# Altium PCB MOTOR SECOND.PcbDoc (part 1 of 4)
Units mil, origin at the board's own origin, x right, y up, seen from the top; angles counter-clockwise.
Board outline 3164.64 x 1945.03 mil, 2 copper layers (Top Layer, Bottom Layer); 69 components, 47 nets, 203 pads, 228 vias.
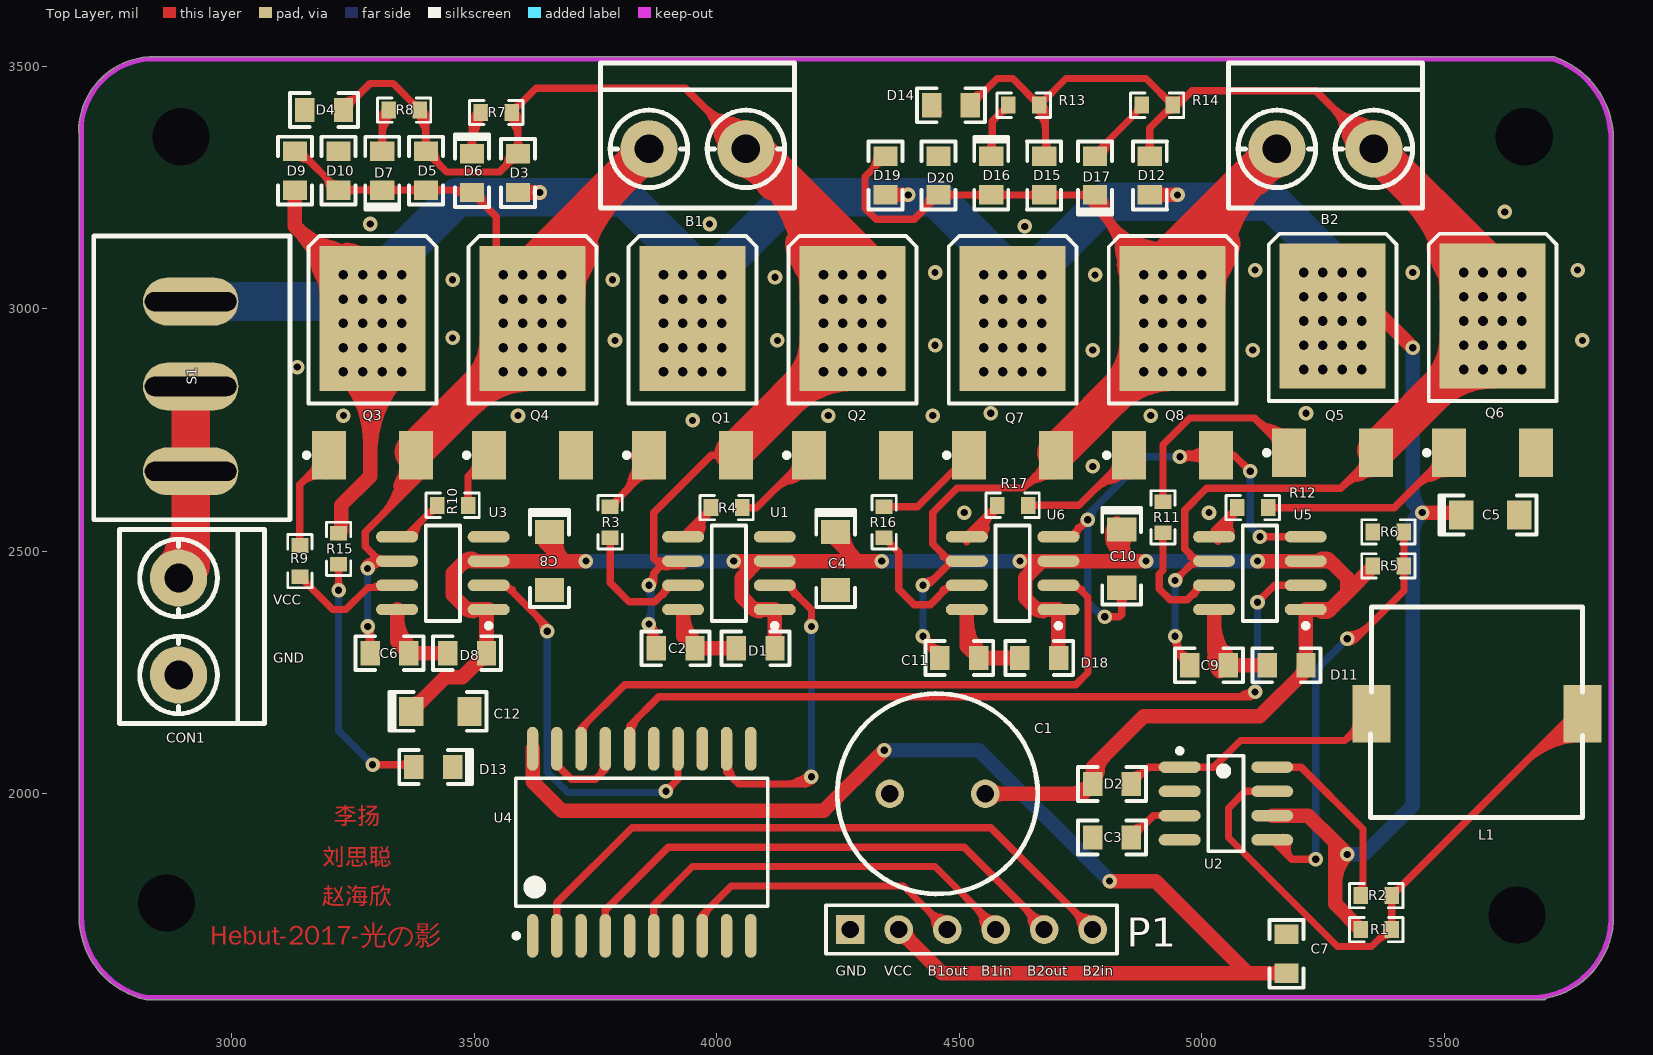
[diagram p0: Top Layer view]
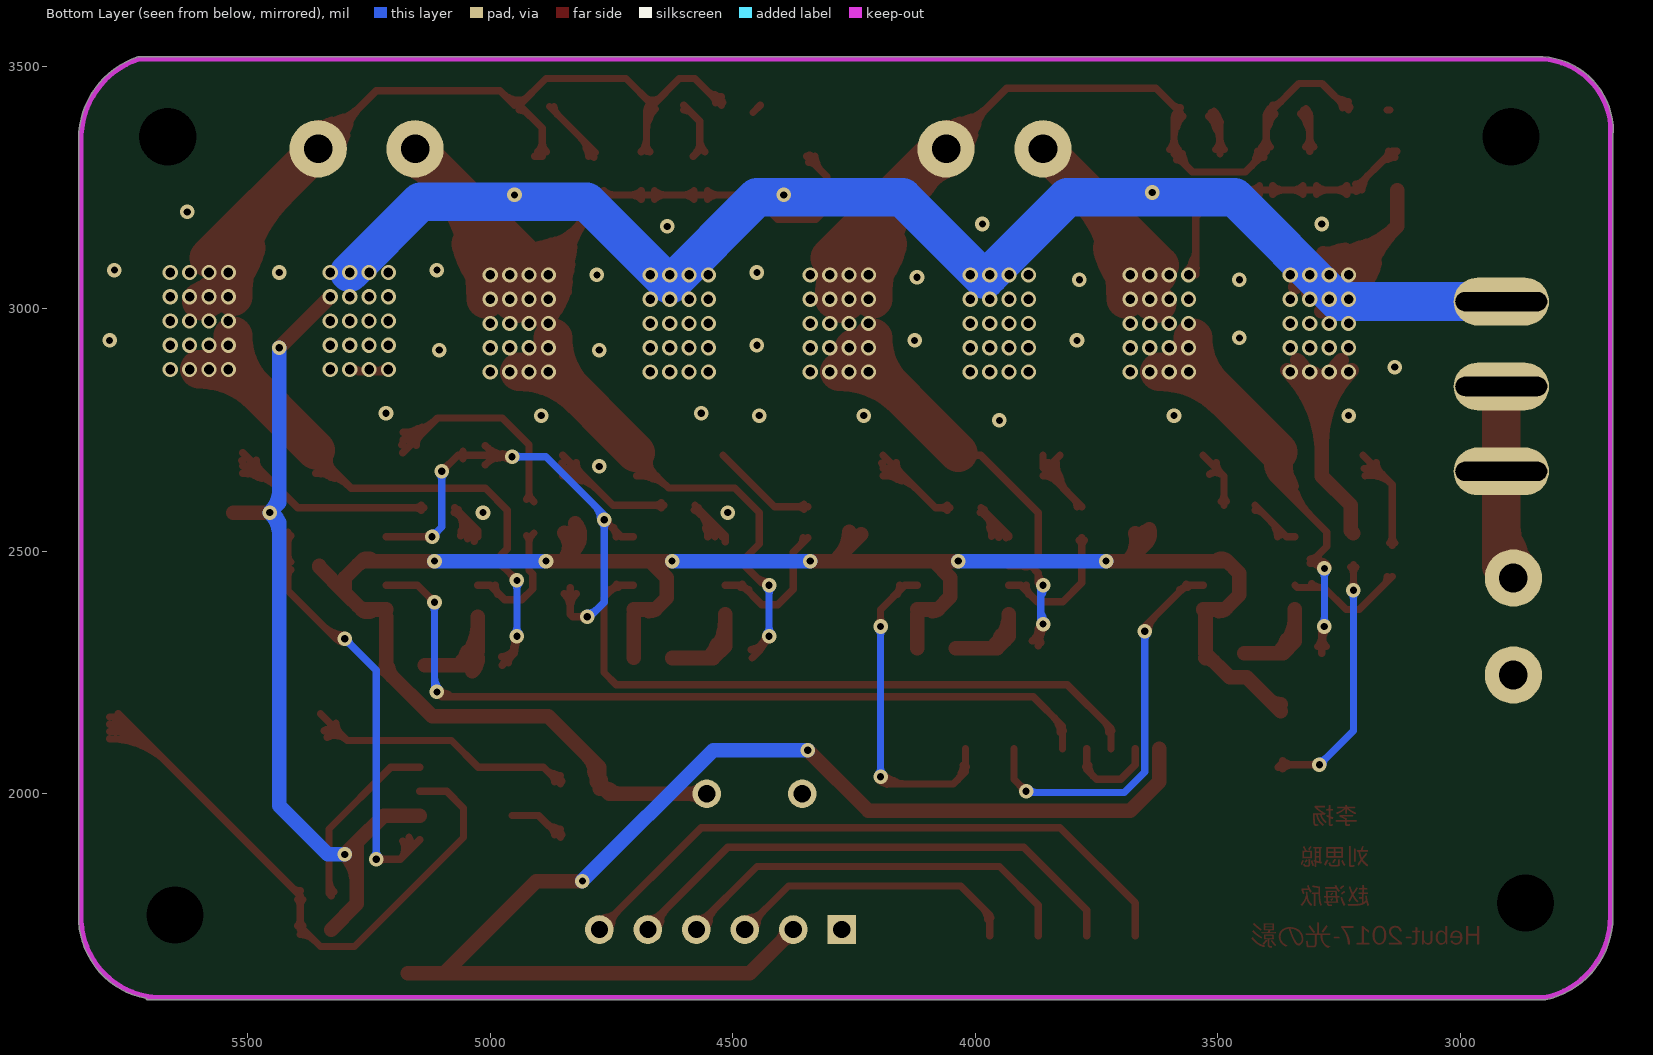
[diagram p1: Bottom Layer view, seen from below]

## Layer stack, top to bottom
Top Layer: signal copper 1.4
Dielectric: dielectric 12.6, FR-4, Dk 4.8
Bottom Layer: signal copper 1.4

## Board outline
2685.04,1746.58 ccw(c2860.35,1746.58) 2823.96,1575.09 ccw(c2825,1580) 2825,1574.98 5705,1574.98 ccw(c5705,1580) 5709.56,1577.92 ccw(c5677.69,1746.15) 5848.61,1736.1 ccw(c5843.61,1736.39) 5848.62,1736.39 5848.62,3345.31 ccw(c5670.11,3350.34) 5848.69,3350.34 ccw(c5670.11,3350.34) 5726.59,3519.76 ccw(c5725,3515) 5725,3520.01 2830,3520.01 ccw(c2830,3515) 2829.71,3520.01 ccw(c2838.79,3365.54) 2684.06,3365.54 ccw(c2689.07,3365.54) 2684.99,3362.63 2684.99,1750.67 ccw(c2690,1750.67) 2685.45,1748.56 ccw(c2690.06,1746.58)

## Design rules (kind name [scope] priority, off if disabled: settings)
Clearance [All] p1: gap=10
PolygonConnect [All] p1: connectstyle=Relief reliefconductorwidth=10 reliefentries=4 polygonreliefangle="90 Angle" airgapwidth=10
RoutingVias [All] p1: holewidth=15 width=30 viastyle="Through Hole" minholewidth=15 minwidth=15 maxholewidth=50 maxwidth=50
SolderMaskExpansion [All] p1: expansion=4
Width [All] p1: maxlimit=100 minlimit=10 preferedwidth=10
28 further rules are at their usual default settings.

## Components (designator, comment, footprint, x,y, rotation, side; value= is the part's Value field where it differs from the comment)
B1 "Motor" KF301-2P 3960,3330 r90 top
B2 "Motor" KF301-2P 5255,3330 r90 top
C1 "470uF" RB5-10.5 4455,2000 r180 top
C2 "1.5uF" 0805(2012) 3915,2300 r180 top
C3 "470PF" 0805(2012) 4815,1910 r180 top
C4 "10uF" 1206C 4245,2480 r90 top
C5 "10uF" 1206C 5595,2575 r180 top
C6 "1.5uF" 0805(2012) 3325,2290 r180 top
C7 "0.1uF" 0805(2012) 5175,1670 r270 top
C8 "10uF" 1206C 3655,2480 r90 top
C9 "1.5uF" 0805(2012) 5015,2265 r180 top
C10 "10uF" 1206C 4835,2485 r90 top
C11 "1.5uF" 0805(2012) 4500,2280 r180 top
C12 "10uF" 1206C 3430,2170 r180 top
CON1 "PoweIn" KF301-2P 2890,2345 r0 top
D1 "IN5819" 0805(2012) 4080,2300 r180 top
D2 "IN5819" 0805(2012) 4815,2020 r180 top
D3 "IN5819" 0805(2012) 3590,3280 r270 top
D4 "IN5819" 0805(2012) 3190,3410 r0 top
D5 "U" 0805(2012) 3400,3285 r90 top
D6 "green" 0805LED 3495,3280 r90 top
D7 "green" 0805LED 3310,3285 r270 top
D8 "IN5819" 0805(2012) 3485,2290 r180 top
D9 "IN5819" 0805(2012) 3130,3285 r270 top
D10 "IN5819" 0805(2012) 3220,3285 r270 top
D11 "IN5819" 0805(2012) 5175,2265 r180 top
D12 "IN5819" 0805(2012) 4893,3275 r270 top
D13 "RED" 0805LED 3415,2055 r0 top
D14 "IN5819" 0805(2012) 4483,3420 r0 top
D15 "U" 0805(2012) 4675,3275 r90 top
D16 "green" 0805LED 4566,3275 r90 top
D17 "green" 0805LED 4780,3275 r270 top
D18 "IN5819" 0805(2012) 4665,2280 r180 top
D19 "IN5819" 0805(2012) 4348,3275 r270 top
D20 "IN5819" 0805(2012) 4457,3275 r270 top
L1 "330uH" 电感8*8 5485,2090 r180 top
P1 "Header 6" HDR1X6 4275,1720 r0 top
Q1 "LR7843" LR7843 3950,2840 r270 top
Q2 "LR7843" LR7843 4280,2840 r270 top
Q3 "LR7843" LR7843 3290,2840 r270 top
Q4 "LR7843" LR7843 3620,2840 r270 top
Q5 "LR7843" LR7843 5270,2845 r270 top
Q6 "LR7843" LR7843 5600,2845 r270 top
Q7 "LR7843" LR7843 4610,2840 r270 top
Q8 "LR7843" LR7843 4940,2840 r270 top
R1 "0.22R" 0603 5360,1720 r180 top
R2 "180R" 0603 5360,1790 r0 top
R3 "20R" 0603 3780,2560 r90 top
R4 "20R" 0603 4020,2590 r0 top
R5 "10K" 0603 5385,2470 r180 top
R6 "1K" 0603 5385,2540 r180 top
R7 "10K" 0603 3545,3405 r0 top
R8 "10K" 0603 3355,3410 r0 top
R9 "20R" 0603 3140,2480 r90 top
R10 "20R" 0603 3455,2595 r0 top
R11 "20R" 0603 4920,2570 r90 top
R12 "20R" 0603 5105,2590 r0 top
R13 "1K" 0603 4633,3420 r0 top
R14 "1K" 0603 4908,3420 r0 top
R15 "1K" 0603 3220,2505 r270 top
R16 "20R" 0603 4345,2560 r90 top
R17 "20R" 0603 4610,2595 r0 top
S1 "SW-SPDT" SWITCH 3120,2565 r180 top
U1 "IR2104S" IR2104S 4025,2455 r180 top
U2 "MC34063" MC34063 5050,1980 r0 top
U3 "IR2104S" IR2104S 3435,2455 r180 top
U4 "74LS244" 74ls244DB 3845,1900 r90 top
U5 "IR2104S" IR2104S 5120,2455 r180 top
U6 "IR2104S" IR2104S 4610,2455 r180 top

## Footprints (in the part's own frame and the unit in brackets; to place one, negate y for a bottom-side part, rotate by r counter-clockwise, add the part's x,y. Pads: shape width x height; smd on the part's side, far side on the other; paste and mask are expansions set on the pad)
74ls244DB [mm] "SOP, 20-Leads, Body 13.00x7.50mm, Pitch 1.27mm, IPC Medium Density"
  oval 2.3x0.6 smd: 1(-4.9,5.715) 2(-4.9,4.445) 3(-4.9,3.175) 4(-4.9,1.905) 5(-4.9,0.635) 6(-4.9,-0.635) 7(-4.9,-1.905) 8(-4.9,-3.175) 9(-4.9,-4.445) 10(-4.9,-5.715) 11(4.9,-5.715) 12(4.9,-4.445) 13(4.9,-3.175) 14(4.9,-1.905) 15(4.9,-0.635) 16(4.9,0.635) 17(4.9,1.905) 18(4.9,3.175) 19(4.9,4.445) 20(4.9,5.715)
  silkscreen extent -5.02,-6.6 3.35,6.69, body extent -3.8,-6.6 3.8,6.6, height 2.65
0603 [mil]
  rect 30x35 smd: 1(-32,0) 2(32,0)
  silkscreen extent -55,-25 55,25
0805(2012) [mil]
  rect 40x50 smd: 1(-40,0) 2(40,0)
  silkscreen extent -70,-35 70,35
0805LED [mil]
  rect 40x50 smd: 1(-40,0) 2(40,0)
  silkscreen extent -70,-35 80,35
1206C [mil]
  rect 50x60 smd: 1(60,0) 2(-60,0)
  silkscreen extent -95,-40 105,40
HDR1X6 [mm] "Connector; Header; 6 Position"
  rect 1.5x1.5 hole 0.9: 1(0,0)
  round 1.5 hole 0.9: 2(2.54,0) 3(5.08,0) 4(7.62,0) 5(10.16,0) 6(12.7,0)
  silkscreen extent -1.27,-1.27 13.97,1.27
IR2104S [mm]
  oval 2.2x0.6 smd: 1(-2.4,1.905) 2(-2.4,0.635) 3(-2.4,-0.635) 4(-2.4,-1.905) 5(2.4,-1.905) 6(2.4,-0.635) 7(2.4,0.635) 8(2.4,1.905)
  silkscreen extent -2.53,-2.5 0.9,2.88, body extent -2,-2.5 2,2.5, height 1.55
KF301-2P [mm]
  round 3 hole 1.5: 1(0,-2.54) 2(0,2.54)
  silkscreen extent -3.1,-5.08 4.5,5.08
LR7843 [mm]
  rect 2.54x1.778 smd: 1(3.6,-2.28) 3(3.6,2.28)
  rect 7.6x5.55 smd: 2(-3.556,0)
  silkscreen extent -7.87,-3.58 3.72,3.35
MC34063 [mm] "SOIC, 8-Leads, Body 4.90x3.90mm, Pitch 1.27mm, IPC Medium Density"
  oval 2.2x0.6 smd: 1(-2.425,1.905) 2(-2.425,0.635) 3(-2.425,-0.635) 4(-2.425,-1.905) 5(2.425,-1.905) 6(2.425,-0.635) 7(2.425,0.635) 8(2.425,1.905)
  silkscreen extent -2.55,-2.5 0.93,2.88, body extent -2,-2.5 2,2.5, height 1.5
RB5-10.5 [mm] "Capacitor (Radial); 2 Leads"
  round 1.5 hole 0.9: 1(-2.5,0) 2(2.5,0)
  silkscreen extent -5.25,-5.25 5.25,5.25
SWITCH [mm]
  oval 5x2.5 hole 1 slot 4.8 at 0 deg: 1(5.207,-2.54) 2(5.207,-6.985) 3(5.207,-11.43)
  silkscreen extent 0,-14.86 10.29,0
电感8*8 [mm]
  rect 2x3 smd: 1(-7.62,-1.905) 2(3.429,-1.905)
  silkscreen extent -7.62,-7.49 3.5,3.52

## Part data
B1 B2: library part "Motor Servo", "Servo Motor"
C1 C4 C5 C8 C10 C12: library part "Cap Pol3", "Polarized Capacitor (Surface Mount)"
C2 C3 C6 C7 C9 C11: library part "Cap Semi", "Capacitor (Semiconductor SIM Model)"
CON1: library part "Header 2", "Header, 2-Pin"
D1 D2 D3 D4 D8 D9 D10 D11 D12 D14 D18 D19 D20: library part Diode, "Default Diode"
D5 D15: library part "Res Varistor", "Varistor (Voltage-Sensitive Resistor)"
D6 D7 D13 D16 D17: library part LED3, "Typical BLUE SiC LED"
L1: library part Inductor, "Inductor"
P1: "Header, 6-Pin"
Q1 Q2 Q3 Q4 Q5 Q6 Q7 Q8: library part NMOS-2, "N-Channel Power MOSFET"
R1 R2 R3 R4 R5 R6 R7 R8 R9 R10 R11 R12 R13 R14 R15 R16 R17: library part Res2, "Resistor"
S1: "SPDT Subminiature Toggle Switch, Right Angle Mounting, Vertical Actuation"

## Free pads (board coordinates)
  round 60 hole 118.11: 0(2865,1775) 0(2895,3355) 0(5650,1750) 0(5665,3355)

## Via types
v1: diameter 31.5, hole 19.68, Top Layer to Bottom Layer, 160 vias
v2: diameter 30, hole 15, Top Layer to Bottom Layer, 68 vias

## Nets (pads, with @x,y where several pads share a name; then routed paths per layer and width w, separated by ;. In a path a pad name is that pad's centre, name@x,y a point inside that pad or via, vN(x,y) a via of type N, cw(c..) or ccw(c..) an arc to the next point about the centre after c; other vN are vias at no path point)
5V: C7.2 P1.2 U4.20 | length 2808
  Top Layer w30: U4.20@3620,2092.91 3620,2025 3680,1965 4220,1965 v2(4345,2090) ; P1.2@4375,1720 4465,1630 5095,1630 ; v2(4810,1820) 4905,1820 5095,1630 ; C7.2@5170,1630 5095,1630 ; P1.2@4375,1705.47 cw(c4375,1670.4) 4399.8,1695.2 ; P1.2@4375,1705.47 cw(c4375,1670.4) 4399.8,1695.2 ; P1.2@4375,1705.47 cw(c4375,1670.4) 4399.8,1695.2 ; P1.2@4389.53,1720 ccw(c4424.6,1720) 4399.8,1695.2 ; P1.2@4389.53,1720 ccw(c4424.6,1720) 4399.8,1695.2 ; P1.2@4389.53,1720 ccw(c4424.6,1720) 4399.8,1695.2
  Bottom Layer w30: v2(4345,2090) 4540.54,2090 4810,1820.54 v2(4810,1820)
12V: C1.1 C4.1 C8.1 C10.1 C12.1 D1.1 D2.2 D8.1 D11.1 D18.1 R5.2 U1.1 U1.3 U3.1 U3.3 U5.1 U5.3 U6.1 U6.3 | length 6818
  Top Layer w30: C12.1@3370,2170 3440,2240 3475.36,2240 3525,2289.64 D8.1@3525,2290 3525,2375.51 U3.1@3529.49,2380 3485,2380 3455,2410 3455,2455 3480,2480 ; C8.1@3650,2540 3650,2515 3685,2480 ; 3664.87,2512.17 cw(c3680.26,2521.03) C8.1@3667.3,2533.17 ; v2(3730,2480) 3685,2480 ; v2(4035,2480) U1.3@4085.93,2480 ; D1.1@4119.49,2300.51 U1.1@4119.49,2370 ; U1.1@4119.49,2380 4077.36,2380 4051.18,2406.18 4051.18,2445.25 U1.3@4085.93,2480 ; C4.1@4235,2535 4290,2480 ; C4.1@4259.52,2536.93 ccw(c4284.38,2528.91) 4265.91,2510.43 ; v2(4340,2480) 4290,2480 ; C1.1@4553.43,2000 4755,2000 D2.2@4775,2020 4775,2055 4880,2160 5120,2160 5215,2255 D11.1@5215,2265 ; v2(4625,2480) U6.3@4670.93,2480 ; D18.1@4704.49,2280.51 U6.1@4704.49,2370 ; U6.1@4704.49,2380 4660,2380 4636.18,2403.82 4636.18,2445.25 U6.3@4670.93,2480 ; C10.1@4825,2545 4825,2505 4850,2480 ; v2@4880,2480 U6.3@4704.49,2480 U6.3@4670.93,2480 ; v2(5115,2480) U5.3@5214.49,2480 5265,2480 ; D11.1@5214.49,2265.51 5214.49,2365 ; U5.1@5214.49,2380 5265,2380 ; R5.2@5353,2470 5353,2468 5300,2415 ; C12.1@3370,2185 ccw(c3370,2221.21) 3395.61,2195.61 ; C12.1@3370,2185 ccw(c3370,2221.21) 3395.61,2195.61 ; C12.1@3370,2185 ccw(c3370,2221.21) 3395.61,2195.61 ; 3472.72,2472.72 cw(c3497.99,2447.45) U3.3@3497.99,2483.19 ; 3472.72,2472.72 cw(c3497.99,2447.45) U3.3@3497.99,2483.19 ; 3472.72,2472.72 cw(c3497.99,2447.45) U3.3@3497.99,2483.19 ; 3480,2480 cw(c3491.63,2468.37) U3.3@3499.52,2482.8 ; 3480,2480 cw(c3491.63,2468.37) U3.3@3499.52,2482.8 ; 3480,2480 cw(c3491.63,2468.37) U3.3@3499.52,2482.8 ; 3480,2480 U3.3@3529.49,2480 3685,2480 ; 3481.26,2383.74 ccw(c3497.99,2400.48) U3.1@3497.99,2376.81 ; 3481.26,2383.74 ccw(c3497.99,2400.48) U3.1@3497.99,2376.81 ; 3481.26,2383.74 ccw(c3497.99,2400.48) U3.1@3497.99,2376.81 ; D8.1@3508.54,2273.18 cw(c3525,2256.72) D8.1@3525,2280 ; D8.1@3508.54,2273.18 cw(c3525,2256.72) D8.1@3525,2280 ; D8.1@3508.54,2273.18 cw(c3525,2256.72) D8.1@3525,2280 ; C8.1@3640.69,2545.2 ccw(c3669.15,2537.54) C8.1@3648.31,2516.69 ; C8.1@3640.69,2545.2 ccw(c3669.15,2537.54) C8.1@3648.31,2516.69 ; C8.1@3640.69,2545.2 ccw(c3669.15,2537.54) C8.1@3648.31,2516.69 ; C8.1@3652.92,2532.94 cw(c3612.48,2492.6) 3669.6,2492.53 ; C8.1@3652.92,2532.94 cw(c3612.48,2492.6) 3669.6,2492.53 ; C8.1@3652.92,2532.94 cw(c3612.48,2492.6) 3669.6,2492.53 ; C8.1@3669.66,2537.4 ccw(c3726.97,2521.97) 3685,2480 ; C8.1@3669.66,2537.4 ccw(c3726.97,2521.97) 3685,2480 ; C8.1@3669.66,2537.4 ccw(c3726.97,2521.97) 3685,2480 ; 4075.29,2382.07 ccw(c4087.99,2394.78) U1.1@4087.99,2376.81 ; 4075.29,2382.07 ccw(c4087.99,2394.78) U1.1@4087.99,2376.81 ; 4075.29,2382.07 ccw(c4087.99,2394.78) U1.1@4087.99,2376.81 ; U1.3@4085.93,2480 U1.3@4119.49,2480 4290,2480 ; C4.1@4245,2531.34 cw(c4216.44,2481.87) 4271.61,2496.66 ; C4.1@4245,2531.34 cw(c4216.44,2481.87) 4271.61,2496.66 ; C4.1@4245,2531.34 cw(c4216.44,2481.87) 4271.61,2496.66 ; C4.1@4260,2540 ccw(c4332.43,2540) 4281.21,2488.79 ; C4.1@4260,2540 ccw(c4332.43,2540) 4281.21,2488.79 ; C4.1@4260,2540 ccw(c4332.43,2540) 4281.21,2488.79 ; C1.1@4563.7,1989.73 cw(c4588.5,1964.93) 4588.5,2000 ; C1.1@4563.7,1989.73 cw(c4588.5,1964.93) 4588.5,2000 ; C1.1@4563.7,1989.73 cw(c4588.5,1964.93) 4588.5,2000 ; C1.1@4563.7,2010.27 ccw(c4588.5,2035.07) 4588.5,2000 ; C1.1@4563.7,2010.27 ccw(c4588.5,2035.07) 4588.5,2000 ; C1.1@4563.7,2010.27 ccw(c4588.5,2035.07) 4588.5,2000 ; 4656.26,2383.74 ccw(c4672.99,2400.48) U6.1@4672.99,2376.81 ; 4656.26,2383.74 ccw(c4672.99,2400.48) U6.1@4672.99,2376.81 ; 4656.26,2383.74 ccw(c4672.99,2400.48) U6.1@4672.99,2376.81 ; 4726.72,2000 ccw(c4726.72,2063.28) D2.2@4771.46,2018.54 ; 4726.72,2000 ccw(c4726.72,2063.28) D2.2@4771.46,2018.54 ; 4726.72,2000 ccw(c4726.72,2063.28) D2.2@4771.46,2018.54 ; 4752.03,2007.32 cw(c4766.31,1982.58) D2.2@4773.71,2010.17 ; 4752.03,2007.32 cw(c4766.31,1982.58) D2.2@4773.71,2010.17 ; 4752.03,2007.32 cw(c4766.31,1982.58) D2.2@4773.71,2010.17 ; D2.2@4772.5,2029.33 ccw(c4758.22,2054.06) 4785.81,2046.67 ; D2.2@4772.5,2029.33 ccw(c4758.22,2054.06) 4785.81,2046.67 ; D2.2@4772.5,2029.33 ccw(c4758.22,2054.06) 4785.81,2046.67 ; D2.2@4780,2025 cw(c4864.5,2025) 4804.75,2084.75 ; D2.2@4780,2025 cw(c4864.5,2025) 4804.75,2084.75 ; D2.2@4780,2025 cw(c4864.5,2025) 4804.75,2084.75 ; C10.1@4824.76,2557.95 ccw(c4855.67,2531.69) 4826.99,2503.01 ; C10.1@4824.76,2557.95 ccw(c4855.67,2531.69) 4826.99,2503.01 ; C10.1@4824.76,2557.95 ccw(c4855.67,2531.69) 4826.99,2503.01 ; 4825,2508.79 cw(c4866.21,2508.79) C10.1@4837.07,2537.93 ; 4825,2508.79 cw(c4866.21,2508.79) C10.1@4837.07,2537.93 ; 4825,2508.79 cw(c4866.21,2508.79) C10.1@4837.07,2537.93 ; C10.1@4847.62,2538.53 ccw(c4880.55,2510.55) 4850,2480 ; C10.1@4847.62,2538.53 ccw(c4880.55,2510.55) 4850,2480 ; C10.1@4847.62,2538.53 ccw(c4880.55,2510.55) 4850,2480 ; D11.1@5202.93,2242.93 ccw(c5185.86,2260) D11.1@5210,2260 ; D11.1@5202.93,2242.93 ccw(c5185.86,2260) D11.1@5210,2260 ; D11.1@5202.93,2242.93 ccw(c5185.86,2260) D11.1@5210,2260 ; U5.1@5244.41,2377.23 ccw(c5252.89,2392.11) 5265,2380 ; U5.1@5244.41,2377.23 ccw(c5252.89,2392.11) 5265,2380 ; U5.1@5244.41,2377.23 ccw(c5252.89,2392.11) 5265,2380 ; U5.3@5244.41,2482.77 cw(c5252.89,2467.89) 5265,2480 ; U5.3@5244.41,2482.77 cw(c5252.89,2467.89) 5265,2480 ; U5.3@5244.41,2482.77 cw(c5252.89,2467.89) 5265,2480 ; U5.1@5245.98,2376.81 ccw(c5245.98,2415.02) 5273,2388 ; U5.1@5245.98,2376.81 ccw(c5245.98,2415.02) 5273,2388 ; U5.1@5245.98,2376.81 ccw(c5245.98,2415.02) 5273,2388 ; U5.3@5245.98,2483.19 cw(c5245.98,2444.98) 5273,2472 ; U5.3@5245.98,2483.19 cw(c5245.98,2444.98) 5273,2472 ; U5.3@5245.98,2483.19 cw(c5245.98,2444.98) 5273,2472 ; 5265,2380 5300,2415 ; 5265,2480 5300,2445 5300,2415
  Bottom Layer w30: v2(3730,2480) v2(4035,2480) ; v2(4340,2480) v2(4625,2480) ; v2@4890,2480 v2(5115,2480)
  other v2: 4885,2480
GND: C1.2 C3.2 C4.2 C5.2 C7.1 C8.2 C10.2 C12.2 CON1.1 D4.1 D10.1 D13.2 D14.1 D20.1 P1.1 Q2.3 Q4.3 Q6.3 Q8.3 R6.2 U1.4 U2.2 U2.4 U3.4 U4.1 U4.3 U4.5 U4.7 U4.9 U4.10 U4.11 U4.13 U4.15 U4.17 U4.19 U5.4 U6.4 | length 3393.2
  Top Layer w15: D4.1@3145.25,3410 D4.1@3150,3410 ; U4.19@3670,2092.91 3670,2060 3700,2030 3750,2030 3770,2050 U4.17@3770,2092.91 ; 3763.14,2046.7 ccw(c3755.18,2054.67) U4.17@3765.9,2058.12 ; D14.1@4443,3420 D14.1@4458,3405 ; U6.4@4704.49,2530 4730,2530 v2(4765,2565) ; U6.4@4740.09,2531.32 cw(c4750.81,2534.78) 4742.84,2542.75 ; v2(4800,2365) 4830,2365 4835,2370 C10.2@4835,2425 ; v2(4955,2695) 4958.27,2698.27 Q8.3@5029.76,2698.27 5066.73,2698.27 ; v2(5100,2665) 5066.73,2698.27 ; v2(5120,2530) U5.4@5214.49,2530 ; 3755.96,2035.96 ccw(c3732.47,2059.45) U4.17@3765.69,2059.45 ; 3755.96,2035.96 ccw(c3732.47,2059.45) U4.17@3765.69,2059.45 ; 3755.96,2035.96 ccw(c3732.47,2059.45) U4.17@3765.69,2059.45 ; 3760.68,2040.76 cw(c3784.47,2034.39) U4.17@3772.16,2055.72 ; 3760.68,2040.76 cw(c3784.47,2034.39) U4.17@3772.16,2055.72 ; 3760.68,2040.76 cw(c3784.47,2034.39) U4.17@3772.16,2055.72 ; U6.4@4733.83,2533.73 ccw(c4721.52,2555.06) 4745.3,2548.69 ; U6.4@4733.83,2533.73 ccw(c4721.52,2555.06) 4745.3,2548.69 ; U6.4@4733.83,2533.73 ccw(c4721.52,2555.06) 4745.3,2548.69 ; U6.4@4740.3,2530 cw(c4765.15,2530) 4747.57,2547.57 ; U6.4@4740.3,2530 cw(c4765.15,2530) 4747.57,2547.57 ; U6.4@4740.3,2530 cw(c4765.15,2530) 4747.57,2547.57 ; 4752.2,2552.2 ccw(c4739.39,2565) v2@4757.5,2565 ; 4752.2,2552.2 cw(c4765,2539.39) v2@4765,2557.5 ; 4752.2,2552.2 ccw(c4739.39,2565) v2@4757.5,2565 ; 4752.2,2552.2 cw(c4765,2539.39) v2@4765,2557.5 ; 4752.2,2552.2 ccw(c4739.39,2565) v2@4757.5,2565 ; 4752.2,2552.2 cw(c4765,2539.39) v2@4765,2557.5 ; v2@4805.3,2359.7 cw(c4818.11,2346.89) 4818.11,2365 ; v2@4805.3,2359.7 cw(c4818.11,2346.89) 4818.11,2365 ; v2@4805.3,2359.7 cw(c4818.11,2346.89) 4818.11,2365 ; v2@4805.3,2370.3 ccw(c4818.11,2383.11) 4818.11,2365 ; v2@4805.3,2370.3 ccw(c4818.11,2383.11) 4818.11,2365 ; v2@4805.3,2370.3 ccw(c4818.11,2383.11) 4818.11,2365 ; C10.2@4822.63,2412.63 cw(c4792.75,2382.75) 4835,2382.75 ; C10.2@4822.63,2412.63 cw(c4792.75,2382.75) 4835,2382.75 ; C10.2@4822.63,2412.63 cw(c4792.75,2382.75) 4835,2382.75 ; 4835,2382.75 cw(c4877.25,2382.75) C10.2@4847.37,2412.63 ; 4835,2382.75 cw(c4877.25,2382.75) C10.2@4847.37,2412.63 ; 4835,2382.75 cw(c4877.25,2382.75) C10.2@4847.37,2412.63 ; v2@4958.75,2688.5 cw(c4976.89,2657.08) 4986.28,2692.13 ; v2@4958.75,2688.5 cw(c4976.89,2657.08) 4986.28,2692.13 ; v2@4958.75,2688.5 cw(c4976.89,2657.08) 4986.28,2692.13 ; v2@4958.75,2688.5 cw(c4976.89,2657.08) 4986.28,2692.13 ; v2@4958.75,2688.5 cw(c4976.89,2657.08) 4986.28,2692.13 ; v2@4958.75,2688.5 cw(c4976.89,2657.08) 4986.28,2692.13 ; v2@4958.75,2701.5 ccw(c4966.11,2714.25) 4969.93,2700.02 ; v2@4958.75,2701.5 ccw(c4966.11,2714.25) 4969.93,2700.02 ; v2@4958.75,2701.5 ccw(c4966.11,2714.25) 4969.93,2700.02 ; v2@4958.75,2701.5 ccw(c4966.11,2714.25) 4969.93,2700.02 ; v2@4958.75,2701.5 ccw(c4966.11,2714.25) 4969.93,2700.02 ; v2@4958.75,2701.5 ccw(c4966.11,2714.25) 4969.93,2700.02 ; v2@4960.3,2689.7 cw(c4981,2669) 4981,2698.27 ; v2@4960.3,2689.7 cw(c4981,2669) 4981,2698.27 ; v2@4960.3,2689.7 cw(c4981,2669) 4981,2698.27 ; v2@4961.5,2691.25 cw(c4980.1,2680.51) 4974.54,2701.26 ; v2@4961.5,2691.25 cw(c4980.1,2680.51) 4974.54,2701.26 ; v2@4961.5,2691.25 cw(c4980.1,2680.51) 4974.54,2701.26 ; v2@4961.5,2691.25 cw(c4980.1,2680.51) 4974.54,2701.26 ; v2@4961.5,2691.25 cw(c4980.1,2680.51) 4974.54,2701.26 ; v2@4961.5,2691.25 cw(c4980.1,2680.51) 4974.54,2701.26 ; v2@4963.37,2698.27 ccw(c4963.37,2764.66) Q8.3@5010.32,2717.71 ; v2@4963.37,2698.27 cw(c4963.37,2631.88) Q8.3@5010.32,2678.82 ; v2@4963.37,2698.27 ccw(c4963.37,2764.66) Q8.3@5010.32,2717.71 ; v2@4963.37,2698.27 cw(c4963.37,2631.88) Q8.3@5010.32,2678.82 ; v2@4963.37,2698.27 ccw(c4963.37,2764.66) Q8.3@5010.32,2717.71 ; v2@4963.37,2698.27 cw(c4963.37,2631.88) Q8.3@5010.32,2678.82 ; Q8.3@5056.1,2690.36 cw(c5066.73,2687.17) 5066.73,2698.27 ; Q8.3@5056.1,2690.36 cw(c5066.73,2687.17) 5066.73,2698.27 ; Q8.3@5056.1,2690.36 cw(c5066.73,2687.17) 5066.73,2698.27 ; Q8.3@5056.1,2706.17 ccw(c5066.73,2709.36) 5066.73,2698.27 ; Q8.3@5056.1,2706.17 ccw(c5066.73,2709.36) 5066.73,2698.27 ; Q8.3@5056.1,2706.17 ccw(c5066.73,2709.36) 5066.73,2698.27 ; 5087.2,2677.8 ccw(c5100,2690.61) v2@5100,2672.5 ; 5087.2,2677.8 cw(c5074.39,2665) v2@5092.5,2665 ; 5087.2,2677.8 ccw(c5100,2690.61) v2@5100,2672.5 ; 5087.2,2677.8 cw(c5074.39,2665) v2@5092.5,2665 ; 5087.2,2677.8 ccw(c5100,2690.61) v2@5100,2672.5 ; 5087.2,2677.8 cw(c5074.39,2665) v2@5092.5,2665 ; v2@5125.3,2524.7 cw(c5138.11,2511.89) 5138.11,2530 ; v2@5125.3,2524.7 cw(c5138.11,2511.89) 5138.11,2530 ; v2@5125.3,2524.7 cw(c5138.11,2511.89) 5138.11,2530 ; v2@5125.3,2535.3 ccw(c5138.11,2548.11) 5138.11,2530 ; v2@5125.3,2535.3 ccw(c5138.11,2548.11) 5138.11,2530 ; v2@5125.3,2535.3 ccw(c5138.11,2548.11) 5138.11,2530